# KiCad board pcb.kicad_pcb
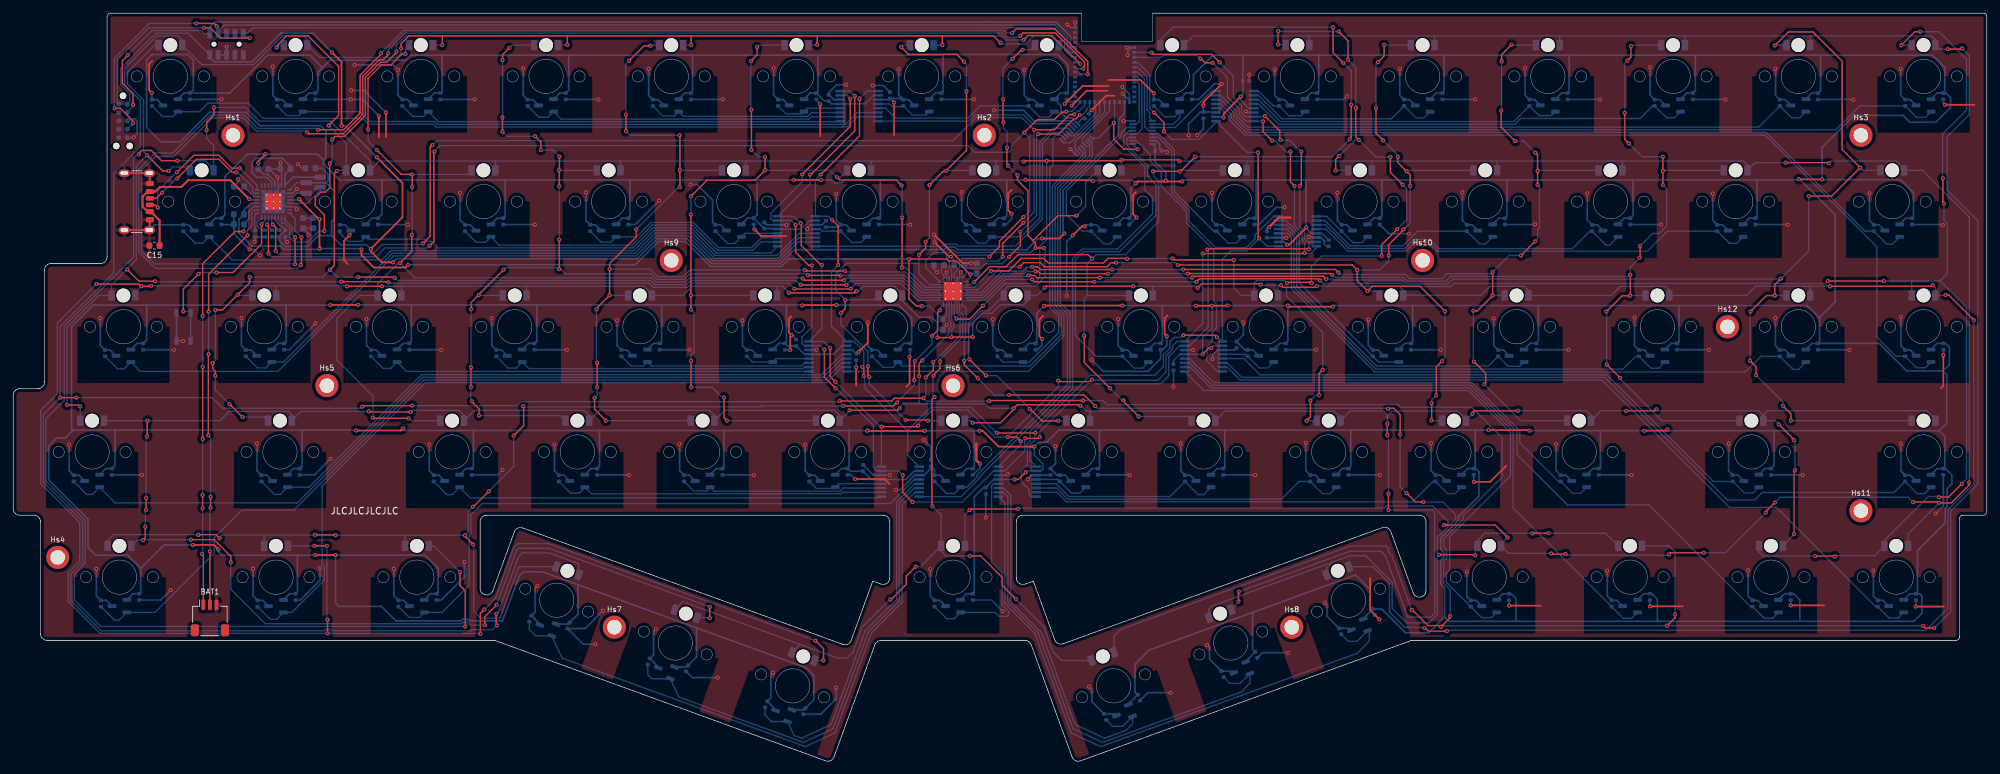
[diagram p0: board, top side]
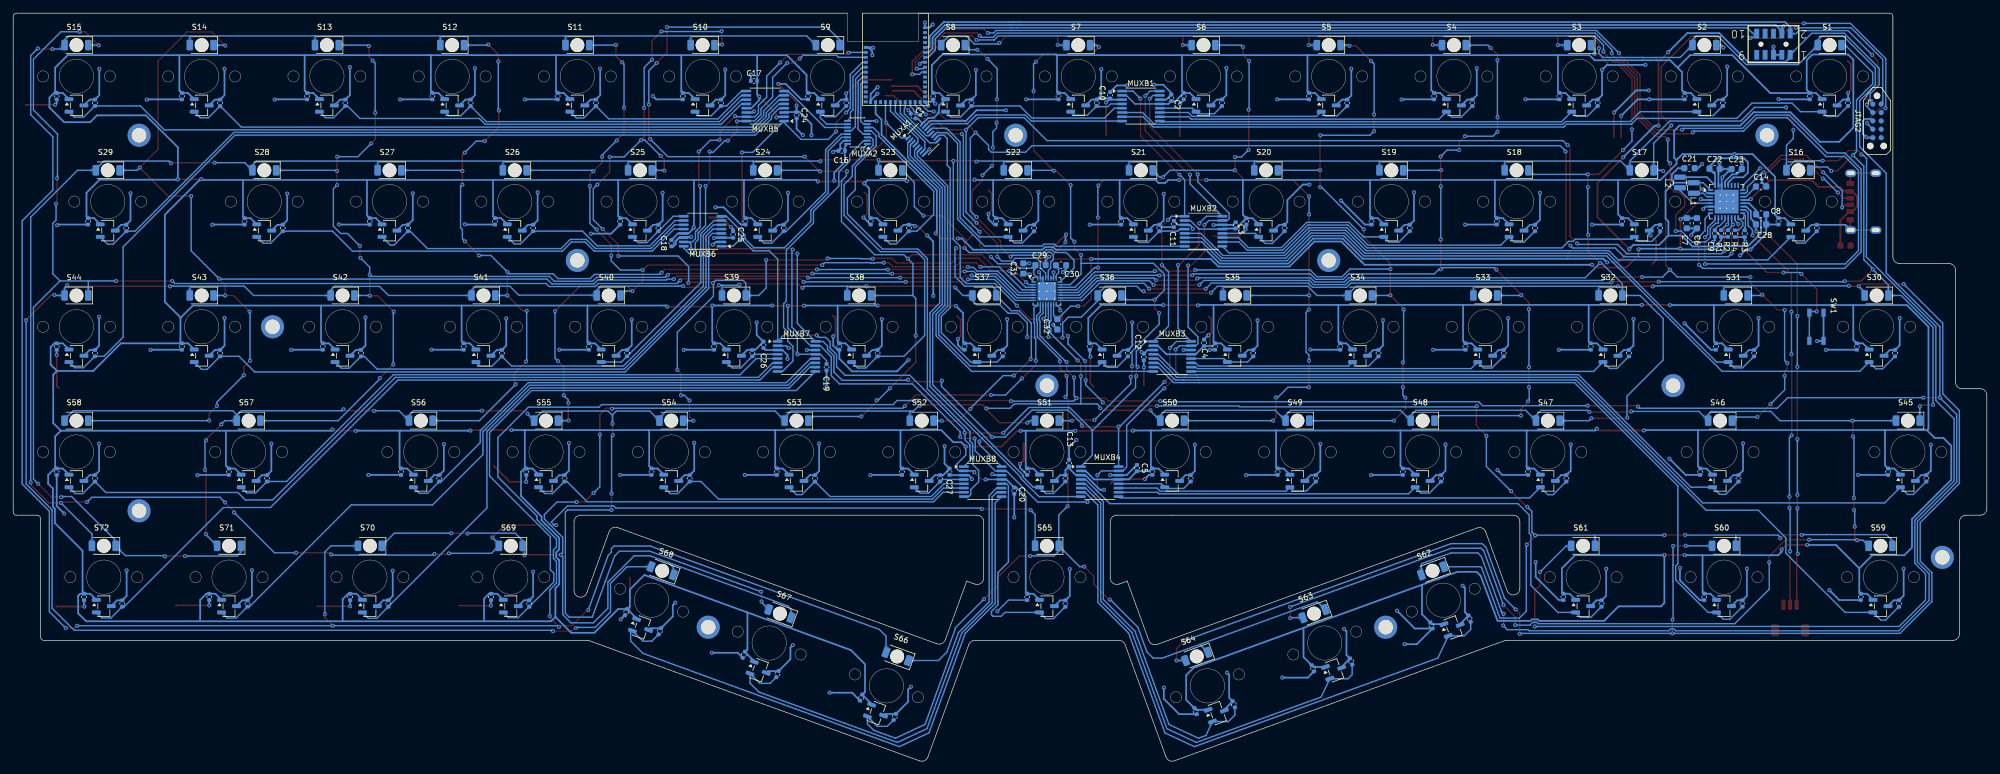
[diagram p1: board, bottom side, seen from below]

Outline 299.45 x 113.48 mm; copper layers: Top, Bottom. Coordinates in mm from the lower left corner of the outline.
Outline path: 0,55.48 arc(0.29,56.19) 1,56.48 3.75,56.48 arc(4.46,56.77) 4.75,57.48 4.75,74.48 arc(5.04,75.19) 5.75,75.48 13.25,75.48 arc(13.96,75.77) 14.25,76.48 14.25,112.98 arc(14.4,113.33) 14.75,113.48 162.1,113.48 162.1,109.18 172.85,109.18 172.85,113.48 298.95,113.48 arc(299.3,113.33) 299.45,112.98 299.45,37.78 arc(299.3,37.43) 298.95,37.28 295.8,37.28 arc(295.45,37.13) 295.3,36.78 295.3,18.78 arc(295.15,18.43) 294.8,18.28 212.34,18.28 arc(212.17,18.26) 212,18.22 161.94,0 arc(161.18,0.03) 160.66,0.6 154.46,17.62 arc(154.1,18.1) 153.52,18.28 131.68,18.28 arc(131.1,18.1) 130.74,17.62 124.54,0.6 arc(124.02,0.03) 123.26,0 73.2,18.22 arc(73.03,18.26) 72.86,18.28 5.15,18.28 arc(4.44,18.57) 4.15,19.28 4.15,36.28 arc(3.86,36.99) 3.15,37.28 1,37.28 arc(0.29,37.57) 0,38.28 0,55.48 ; 70.85,36.28 70.85,26.18 arc(71.68,25.2) 72.79,25.84 76.03,34.75 arc(76.55,35.31) 77.31,35.35 125.86,17.68 arc(126.63,17.71) 127.14,18.27 130.42,27.28 131.66,26.83 arc(132.57,26.95) 133,27.77 133,36.28 arc(132.71,36.99) 132,37.28 71.85,37.28 arc(71.14,36.99) 70.85,36.28 ; 152.2,36.28 arc(152.49,36.99) 153.2,37.28 213.35,37.28 arc(214.06,36.99) 214.35,36.28 214.35,25.84 arc(213.52,24.85) 212.41,25.49 209.02,34.8 arc(208.51,35.37) 207.74,35.4 159.3,17.77 arc(158.54,17.8) 158.02,18.37 154.78,27.28 153.54,26.83 arc(152.63,26.95) 152.2,27.77 152.2,36.28
Stack: Top 0.035mm / dielectric 1.51mm FR4 er 4.5 / Bottom 0.035mm

## Placement (name value [footprint] x y rotation side)
BAT1  ~  [JST_SH_SM03B-SRSS-TB_1x03-1MP_P1.00mm_Horizontal]  29.85 21.68 0 top
C1  .1uF  [C_0402_1005Metric]  162.89 97.86 225 bottom
C2  .1uF  [C_0402_1005Metric]  123.73 100.63 270 bottom
C3  .1uF  [C_0402_1005Metric]  113.96 81.27 270 bottom
C4  .1uF  [C_0402_1005Metric]  118.77 63.45 270 bottom
C5  .1uF  [C_0402_1005Metric]  128.95 44.44 270 bottom
C6  10uF  [C_0603_1608Metric]  43.98 81.59 270 bottom
C7  10uF  [C_0603_1608Metric]  45.53 81.6 270 bottom
C8  10uF  [C_0603_1608Metric]  34.24 82.96 180 bottom
C9  0.1uF  [C_0402_1005Metric]  41.28 80.05 90 bottom
C10  .1uF  [C_0402_1005Metric]  133.03 101.01 270 bottom
C11  .1uF  [C_0402_1005Metric]  123.34 81.49 270 bottom
C12  .1uF  [C_0402_1005Metric]  127.91 61.3 270 bottom
C13  .1uF  [C_0402_1005Metric]  139.24 45.19 270 bottom
C14  1uF  [C_0603_1608Metric]  34.23 87.17 180 bottom
C15  1uF  [C_0603_1608Metric]  21.44 78.2 180 top
C16  .1uF  [C_0402_1005Metric]  173.74 92.59 180 bottom
C17  .1uF  [C_0402_1005Metric]  187.05 103.2 180 bottom
C18  .1uF  [C_0402_1005Metric]  199.58 78.57 90 bottom
C19  .1uF  [C_0402_1005Metric]  176.04 59.74 90 bottom
C20  .1uF  [C_0402_1005Metric]  147.56 41.01 90 bottom
C21  10uF  [C_0603_1608Metric]  45.11 89.95 180 bottom
C22  10uF  [C_0603_1608Metric]  41.32 89.87 180 bottom
C23  2.2uF  [C_0603_1608Metric]  37.95 89.82 0 bottom
C24  .1uF  [C_0402_1005Metric]  180.59 97.99 270 bottom
C25  .1uF  [C_0402_1005Metric]  190.21 79.88 270 bottom
C26  .1uF  [C_0402_1005Metric]  185.61 63.14 270 bottom
C27  .1uF  [C_0402_1005Metric]  157.39 43.88 270 bottom
C28  2.2uF  [C_0603_1608Metric]  34.27 81.43 180 bottom
C29  1nF  [C_0603_1608Metric]  143.57 75.25 180 bottom
C30  1uF  [C_0603_1608Metric]  140.47 75.22 0 bottom
C31  1uF  [C_0603_1608Metric]  146.19 74.73 90 bottom
C32  1uF  [C_0603_1608Metric]  141.02 66.24 270 bottom
Cvcc1  0.1uF  [C_0402_1005Metric]  26.85 100.88 270 bottom
Cvcc2  0.1uF  [C_0402_1005Metric]  45.85 100.88 270 bottom
Cvcc3  0.1uF  [C_0402_1005Metric]  64.85 100.88 270 bottom
Cvcc4  0.1uF  [C_0402_1005Metric]  83.85 100.88 270 bottom
Cvcc5  0.1uF  [C_0402_1005Metric]  102.85 100.88 270 bottom
Cvcc6  0.1uF  [C_0402_1005Metric]  121.85 100.88 270 bottom
Cvcc7  0.1uF  [C_0402_1005Metric]  140.85 100.88 270 bottom
Cvcc8  0.1uF  [C_0402_1005Metric]  159.85 100.88 270 bottom
Cvcc9  0.1uF  [C_0402_1005Metric]  178.85 100.88 270 bottom
Cvcc10  0.1uF  [C_0402_1005Metric]  197.85 100.88 270 bottom
Cvcc11  0.1uF  [C_0402_1005Metric]  216.85 100.88 270 bottom
Cvcc12  0.1uF  [C_0402_1005Metric]  235.85 100.88 270 bottom
Cvcc13  0.1uF  [C_0402_1005Metric]  254.85 100.88 270 bottom
Cvcc14  0.1uF  [C_0402_1005Metric]  273.85 100.88 270 bottom
Cvcc15  0.1uF  [C_0402_1005Metric]  292.85 100.88 270 bottom
Cvcc16  0.1uF  [C_0402_1005Metric]  31.6 81.88 270 bottom
Cvcc17  0.1uF  [C_0402_1005Metric]  55.35 81.88 270 bottom
Cvcc18  0.1uF  [C_0402_1005Metric]  74.35 81.88 270 bottom
Cvcc19  0.1uF  [C_0402_1005Metric]  93.35 81.88 270 bottom
Cvcc20  0.1uF  [C_0402_1005Metric]  112.35 81.88 270 bottom
Cvcc21  0.1uF  [C_0402_1005Metric]  131.35 81.88 270 bottom
Cvcc22  0.1uF  [C_0402_1005Metric]  150.35 81.88 270 bottom
Cvcc23  0.1uF  [C_0402_1005Metric]  169.35 81.88 270 bottom
Cvcc24  0.1uF  [C_0402_1005Metric]  188.35 81.88 270 bottom
Cvcc25  0.1uF  [C_0402_1005Metric]  207.35 81.88 270 bottom
Cvcc26  0.1uF  [C_0402_1005Metric]  226.35 81.88 270 bottom
Cvcc27  0.1uF  [C_0402_1005Metric]  245.35 81.88 270 bottom
Cvcc28  0.1uF  [C_0402_1005Metric]  264.35 81.88 270 bottom
Cvcc29  0.1uF  [C_0402_1005Metric]  288.1 81.88 270 bottom
Cvcc30  0.1uF  [C_0402_1005Metric]  19.73 62.88 270 bottom
Cvcc31  0.1uF  [C_0402_1005Metric]  41.1 62.88 270 bottom
Cvcc32  0.1uF  [C_0402_1005Metric]  60.1 62.88 270 bottom
Cvcc33  0.1uF  [C_0402_1005Metric]  79.1 62.88 270 bottom
Cvcc34  0.1uF  [C_0402_1005Metric]  98.1 62.88 270 bottom
Cvcc35  0.1uF  [C_0402_1005Metric]  117.1 62.88 270 bottom
Cvcc36  0.1uF  [C_0402_1005Metric]  136.1 62.88 270 bottom
Cvcc37  0.1uF  [C_0402_1005Metric]  155.1 62.88 270 bottom
Cvcc38  0.1uF  [C_0402_1005Metric]  174.1 62.88 270 bottom
Cvcc39  0.1uF  [C_0402_1005Metric]  193.1 62.88 270 bottom
Cvcc40  0.1uF  [C_0402_1005Metric]  212.1 62.88 270 bottom
Cvcc41  0.1uF  [C_0402_1005Metric]  231.1 62.88 270 bottom
Cvcc42  0.1uF  [C_0402_1005Metric]  252.47 62.88 270 bottom
Cvcc43  0.1uF  [C_0402_1005Metric]  273.85 62.88 270 bottom
Cvcc44  0.1uF  [C_0402_1005Metric]  292.85 62.88 270 bottom
Cvcc45  0.1uF  [C_0402_1005Metric]  14.97 43.88 270 bottom
Cvcc46  0.1uF  [C_0402_1005Metric]  43.48 43.88 270 bottom
Cvcc47  0.1uF  [C_0402_1005Metric]  69.6 43.88 270 bottom
Cvcc48  0.1uF  [C_0402_1005Metric]  88.6 43.88 270 bottom
Cvcc49  0.1uF  [C_0402_1005Metric]  107.6 43.88 270 bottom
Cvcc50  0.1uF  [C_0402_1005Metric]  126.6 43.88 270 bottom
Cvcc51  0.1uF  [C_0402_1005Metric]  145.6 43.88 270 bottom
Cvcc52  0.1uF  [C_0402_1005Metric]  164.6 43.88 270 bottom
Cvcc53  0.1uF  [C_0402_1005Metric]  183.6 43.88 270 bottom
Cvcc54  0.1uF  [C_0402_1005Metric]  202.6 43.88 270 bottom
Cvcc55  0.1uF  [C_0402_1005Metric]  221.6 43.88 270 bottom
Cvcc56  0.1uF  [C_0402_1005Metric]  240.6 43.88 270 bottom
Cvcc57  0.1uF  [C_0402_1005Metric]  266.73 43.88 270 bottom
Cvcc58  0.1uF  [C_0402_1005Metric]  292.85 43.88 270 bottom
Cvcc59  0.1uF  [C_0402_1005Metric]  19.12 24.88 270 bottom
Cvcc60  0.1uF  [C_0402_1005Metric]  42.88 24.88 270 bottom
Cvcc61  0.1uF  [C_0402_1005Metric]  64.25 24.88 270 bottom
Cvcc62  0.1uF  [C_0402_1005Metric]  84.27 20.53 250 bottom
Cvcc63  0.1uF  [C_0402_1005Metric]  102.24 14.03 250 bottom
Cvcc64  0.1uF  [C_0402_1005Metric]  120.04 7.53 250 bottom
Cvcc65  0.1uF  [C_0402_1005Metric]  145.6 24.88 270 bottom
Cvcc66  0.1uF  [C_0402_1005Metric]  170.8 9.59 290 bottom
Cvcc67  0.1uF  [C_0402_1005Metric]  188.6 16.09 290 bottom
Cvcc68  0.1uF  [C_0402_1005Metric]  206.45 22.59 290 bottom
Cvcc69  0.1uF  [C_0402_1005Metric]  226.95 24.88 270 bottom
Cvcc70  0.1uF  [C_0402_1005Metric]  248.32 24.88 270 bottom
Cvcc71  0.1uF  [C_0402_1005Metric]  269.7 24.88 270 bottom
Cvcc72  0.1uF  [C_0402_1005Metric]  288.7 24.88 270 bottom
Cvout1  0.1nF  [C_0402_1005Metric]  21.05 99.88 90 bottom
Cvout2  0.1nF  [C_0402_1005Metric]  40.05 99.88 90 bottom
Cvout3  0.1nF  [C_0402_1005Metric]  59.05 99.88 90 bottom
Cvout4  0.1nF  [C_0402_1005Metric]  78.05 99.88 90 bottom
Cvout5  0.1nF  [C_0402_1005Metric]  97.05 99.88 90 bottom
Cvout6  0.1nF  [C_0402_1005Metric]  116.05 99.88 90 bottom
Cvout7  0.1nF  [C_0402_1005Metric]  135.05 99.88 90 bottom
Cvout8  0.1nF  [C_0402_1005Metric]  154.05 99.88 90 bottom
Cvout9  0.1nF  [C_0402_1005Metric]  173.05 99.88 90 bottom
Cvout10  0.1nF  [C_0402_1005Metric]  192.05 99.88 90 bottom
Cvout11  0.1nF  [C_0402_1005Metric]  211.05 99.88 90 bottom
Cvout12  0.1nF  [C_0402_1005Metric]  230.05 99.88 90 bottom
Cvout13  0.1nF  [C_0402_1005Metric]  249.05 99.88 90 bottom
Cvout14  0.1nF  [C_0402_1005Metric]  268.05 99.88 90 bottom
Cvout15  0.1nF  [C_0402_1005Metric]  287.05 99.88 90 bottom
Cvout16  0.1nF  [C_0402_1005Metric]  25.8 80.88 90 bottom
Cvout17  0.1nF  [C_0402_1005Metric]  49.55 80.88 90 bottom
Cvout18  0.1nF  [C_0402_1005Metric]  68.55 80.88 90 bottom
Cvout19  0.1nF  [C_0402_1005Metric]  87.55 80.88 90 bottom
Cvout20  0.1nF  [C_0402_1005Metric]  106.55 80.88 90 bottom
Cvout21  0.1nF  [C_0402_1005Metric]  125.55 80.88 90 bottom
Cvout22  0.1nF  [C_0402_1005Metric]  144.55 80.88 90 bottom
Cvout23  0.1nF  [C_0402_1005Metric]  163.55 80.88 90 bottom
Cvout24  0.1nF  [C_0402_1005Metric]  182.55 80.88 90 bottom
Cvout25  0.1nF  [C_0402_1005Metric]  201.55 80.88 90 bottom
Cvout26  0.1nF  [C_0402_1005Metric]  220.55 80.88 90 bottom
Cvout27  0.1nF  [C_0402_1005Metric]  239.55 80.88 90 bottom
Cvout28  0.1nF  [C_0402_1005Metric]  258.55 80.88 90 bottom
Cvout29  0.1nF  [C_0402_1005Metric]  282.3 80.88 90 bottom
Cvout30  0.1nF  [C_0402_1005Metric]  13.92 61.88 90 bottom
Cvout31  0.1nF  [C_0402_1005Metric]  35.3 61.88 90 bottom
Cvout32  0.1nF  [C_0402_1005Metric]  54.3 61.88 90 bottom
Cvout33  0.1nF  [C_0402_1005Metric]  73.3 61.88 90 bottom
Cvout34  0.1nF  [C_0402_1005Metric]  92.3 61.88 90 bottom
Cvout35  0.1nF  [C_0402_1005Metric]  111.3 61.88 90 bottom
Cvout36  0.1nF  [C_0402_1005Metric]  130.3 61.88 90 bottom
Cvout37  0.1nF  [C_0402_1005Metric]  149.3 61.88 90 bottom
Cvout38  0.1nF  [C_0402_1005Metric]  168.3 61.88 90 bottom
Cvout39  0.1nF  [C_0402_1005Metric]  187.3 61.88 90 bottom
Cvout40  0.1nF  [C_0402_1005Metric]  206.3 61.88 90 bottom
Cvout41  0.1nF  [C_0402_1005Metric]  225.3 61.88 90 bottom
Cvout42  0.1nF  [C_0402_1005Metric]  246.67 61.88 90 bottom
Cvout43  0.1nF  [C_0402_1005Metric]  268.05 61.88 90 bottom
Cvout44  0.1nF  [C_0402_1005Metric]  287.05 61.88 90 bottom
Cvout45  0.1nF  [C_0402_1005Metric]  9.18 42.88 90 bottom
Cvout46  0.1nF  [C_0402_1005Metric]  37.68 42.88 90 bottom
Cvout47  0.1nF  [C_0402_1005Metric]  63.8 42.88 90 bottom
Cvout48  0.1nF  [C_0402_1005Metric]  82.8 42.88 90 bottom
Cvout49  0.1nF  [C_0402_1005Metric]  101.8 42.88 90 bottom
Cvout50  0.1nF  [C_0402_1005Metric]  120.8 42.88 90 bottom
Cvout51  0.1nF  [C_0402_1005Metric]  139.8 42.88 90 bottom
Cvout52  0.1nF  [C_0402_1005Metric]  158.8 42.88 90 bottom
Cvout53  0.1nF  [C_0402_1005Metric]  177.8 42.88 90 bottom
Cvout54  0.1nF  [C_0402_1005Metric]  196.8 42.88 90 bottom
Cvout55  0.1nF  [C_0402_1005Metric]  215.8 42.88 90 bottom
Cvout56  0.1nF  [C_0402_1005Metric]  234.8 42.88 90 bottom
Cvout57  0.1nF  [C_0402_1005Metric]  260.93 42.88 90 bottom
Cvout58  0.1nF  [C_0402_1005Metric]  287.05 42.88 90 bottom
Cvout59  0.1nF  [C_0402_1005Metric]  13.32 23.88 90 bottom
Cvout60  0.1nF  [C_0402_1005Metric]  37.08 23.88 90 bottom
Cvout61  0.1nF  [C_0402_1005Metric]  58.45 23.88 90 bottom
Cvout62  0.1nF  [C_0402_1005Metric]  78.48 21.58 70 bottom
Cvout63  0.1nF  [C_0402_1005Metric]  96.45 15.08 70 bottom
Cvout64  0.1nF  [C_0402_1005Metric]  114.25 8.58 70 bottom
Cvout65  0.1nF  [C_0402_1005Metric]  139.8 23.88 90 bottom
Cvout66  0.1nF  [C_0402_1005Metric]  165.69 6.66 110 bottom
Cvout67  0.1nF  [C_0402_1005Metric]  183.49 13.16 110 bottom
Cvout68  0.1nF  [C_0402_1005Metric]  201.34 19.66 110 bottom
Cvout69  0.1nF  [C_0402_1005Metric]  221.15 23.88 90 bottom
Cvout70  0.1nF  [C_0402_1005Metric]  242.53 23.88 90 bottom
Cvout71  0.1nF  [C_0402_1005Metric]  263.9 23.88 90 bottom
Cvout72  0.1nF  [C_0402_1005Metric]  282.9 23.88 90 bottom
D1  Green LED  [LED_1206_3216Metric_ReverseMount_Hole2.1mm]  23.85 108.63 0 bottom
D2  Green LED  [LED_1206_3216Metric_ReverseMount_Hole2.1mm]  42.85 108.63 0 bottom
D3  Green LED  [LED_1206_3216Metric_ReverseMount_Hole2.1mm]  61.85 108.63 0 bottom
D4  Green LED  [LED_1206_3216Metric_ReverseMount_Hole2.1mm]  80.85 108.63 0 bottom
D5  Green LED  [LED_1206_3216Metric_ReverseMount_Hole2.1mm]  99.85 108.63 0 bottom
D6  Green LED  [LED_1206_3216Metric_ReverseMount_Hole2.1mm]  118.85 108.63 0 bottom
D7  Green LED  [LED_1206_3216Metric_ReverseMount_Hole2.1mm]  137.85 108.63 0 bottom
D8  Green LED  [LED_1206_3216Metric_ReverseMount_Hole2.1mm]  156.85 108.63 0 bottom
D9  Green LED  [LED_1206_3216Metric_ReverseMount_Hole2.1mm]  175.85 108.63 0 bottom
D10  Green LED  [LED_1206_3216Metric_ReverseMount_Hole2.1mm]  194.85 108.63 0 bottom
D11  Green LED  [LED_1206_3216Metric_ReverseMount_Hole2.1mm]  213.85 108.63 0 bottom
D12  Green LED  [LED_1206_3216Metric_ReverseMount_Hole2.1mm]  232.85 108.63 0 bottom
D13  Green LED  [LED_1206_3216Metric_ReverseMount_Hole2.1mm]  251.85 108.63 0 bottom
D14  Green LED  [LED_1206_3216Metric_ReverseMount_Hole2.1mm]  270.85 108.63 0 bottom
D15  Green LED  [LED_1206_3216Metric_ReverseMount_Hole2.1mm]  289.85 108.63 0 bottom
D16  Green LED  [LED_1206_3216Metric_ReverseMount_Hole2.1mm]  28.6 89.63 0 bottom
D17  Green LED  [LED_1206_3216Metric_ReverseMount_Hole2.1mm]  52.35 89.63 0 bottom
D18  Green LED  [LED_1206_3216Metric_ReverseMount_Hole2.1mm]  71.35 89.63 0 bottom
D19  Green LED  [LED_1206_3216Metric_ReverseMount_Hole2.1mm]  90.35 89.63 0 bottom
D20  Green LED  [LED_1206_3216Metric_ReverseMount_Hole2.1mm]  109.35 89.63 0 bottom
D21  Green LED  [LED_1206_3216Metric_ReverseMount_Hole2.1mm]  128.35 89.63 0 bottom
D22  Green LED  [LED_1206_3216Metric_ReverseMount_Hole2.1mm]  147.35 89.63 0 bottom
D23  Green LED  [LED_1206_3216Metric_ReverseMount_Hole2.1mm]  166.35 89.63 0 bottom
D24  Green LED  [LED_1206_3216Metric_ReverseMount_Hole2.1mm]  185.35 89.63 0 bottom
D25  Green LED  [LED_1206_3216Metric_ReverseMount_Hole2.1mm]  204.35 89.63 0 bottom
D26  Green LED  [LED_1206_3216Metric_ReverseMount_Hole2.1mm]  223.35 89.63 0 bottom
D27  Green LED  [LED_1206_3216Metric_ReverseMount_Hole2.1mm]  242.35 89.63 0 bottom
D28  Green LED  [LED_1206_3216Metric_ReverseMount_Hole2.1mm]  261.35 89.63 0 bottom
D29  Green LED  [LED_1206_3216Metric_ReverseMount_Hole2.1mm]  285.1 89.63 0 bottom
D30  Green LED  [LED_1206_3216Metric_ReverseMount_Hole2.1mm]  16.73 70.63 0 bottom
D31  Green LED  [LED_1206_3216Metric_ReverseMount_Hole2.1mm]  38.1 70.63 0 bottom
D32  Green LED  [LED_1206_3216Metric_ReverseMount_Hole2.1mm]  57.1 70.63 0 bottom
D33  Green LED  [LED_1206_3216Metric_ReverseMount_Hole2.1mm]  76.1 70.63 0 bottom
D34  Green LED  [LED_1206_3216Metric_ReverseMount_Hole2.1mm]  95.1 70.63 0 bottom
D35  Green LED  [LED_1206_3216Metric_ReverseMount_Hole2.1mm]  114.1 70.63 0 bottom
D36  Green LED  [LED_1206_3216Metric_ReverseMount_Hole2.1mm]  133.1 70.63 0 bottom
D37  Green LED  [LED_1206_3216Metric_ReverseMount_Hole2.1mm]  152.1 70.63 0 bottom
D38  Green LED  [LED_1206_3216Metric_ReverseMount_Hole2.1mm]  171.1 70.63 0 bottom
D39  Green LED  [LED_1206_3216Metric_ReverseMount_Hole2.1mm]  190.1 70.63 0 bottom
D40  Green LED  [LED_1206_3216Metric_ReverseMount_Hole2.1mm]  209.1 70.63 0 bottom
D41  Green LED  [LED_1206_3216Metric_ReverseMount_Hole2.1mm]  228.1 70.63 0 bottom
D42  Green LED  [LED_1206_3216Metric_ReverseMount_Hole2.1mm]  249.47 70.63 0 bottom
D43  Green LED  [LED_1206_3216Metric_ReverseMount_Hole2.1mm]  270.85 70.63 0 bottom
D44  Green LED  [LED_1206_3216Metric_ReverseMount_Hole2.1mm]  289.85 70.63 0 bottom
D45  Green LED  [LED_1206_3216Metric_ReverseMount_Hole2.1mm]  11.97 51.63 0 bottom
D46  Green LED  [LED_1206_3216Metric_ReverseMount_Hole2.1mm]  40.48 51.63 0 bottom
D47  Green LED  [LED_1206_3216Metric_ReverseMount_Hole2.1mm]  66.6 51.63 0 bottom
D48  Green LED  [LED_1206_3216Metric_ReverseMount_Hole2.1mm]  85.6 51.63 0 bottom
D49  Green LED  [LED_1206_3216Metric_ReverseMount_Hole2.1mm]  104.6 51.63 0 bottom
D50  Green LED  [LED_1206_3216Metric_ReverseMount_Hole2.1mm]  123.6 51.63 0 bottom
D51  Green LED  [LED_1206_3216Metric_ReverseMount_Hole2.1mm]  142.6 51.63 0 bottom
D52  Green LED  [LED_1206_3216Metric_ReverseMount_Hole2.1mm]  161.6 51.63 0 bottom
D53  Green LED  [LED_1206_3216Metric_ReverseMount_Hole2.1mm]  180.6 51.63 0 bottom
D54  Green LED  [LED_1206_3216Metric_ReverseMount_Hole2.1mm]  199.6 51.63 0 bottom
D55  Green LED  [LED_1206_3216Metric_ReverseMount_Hole2.1mm]  218.6 51.63 0 bottom
D56  Green LED  [LED_1206_3216Metric_ReverseMount_Hole2.1mm]  237.6 51.63 0 bottom
D57  Green LED  [LED_1206_3216Metric_ReverseMount_Hole2.1mm]  263.73 51.63 0 bottom
D58  Green LED  [LED_1206_3216Metric_ReverseMount_Hole2.1mm]  289.85 51.63 0 bottom
D59  Green LED  [LED_1206_3216Metric_ReverseMount_Hole2.1mm]  16.12 32.63 0 bottom
D60  Green LED  [LED_1206_3216Metric_ReverseMount_Hole2.1mm]  39.88 32.63 0 bottom
D61  Green LED  [LED_1206_3216Metric_ReverseMount_Hole2.1mm]  61.25 32.63 0 bottom
D62  Green LED  [LED_1206_3216Metric_ReverseMount_Hole2.1mm]  84.1 28.84 340 bottom
D63  Green LED  [LED_1206_3216Metric_ReverseMount_Hole2.1mm]  102.07 22.34 340 bottom
D64  Green LED  [LED_1206_3216Metric_ReverseMount_Hole2.1mm]  119.87 15.84 340 bottom
D65  Green LED  [LED_1206_3216Metric_ReverseMount_Hole2.1mm]  142.6 32.63 0 bottom
D66  Green LED  [LED_1206_3216Metric_ReverseMount_Hole2.1mm]  165.33 15.84 20 bottom
D67  Green LED  [LED_1206_3216Metric_ReverseMount_Hole2.1mm]  183.13 22.34 20 bottom
D68  Green LED  [LED_1206_3216Metric_ReverseMount_Hole2.1mm]  200.98 28.84 20 bottom
D69  Green LED  [LED_1206_3216Metric_ReverseMount_Hole2.1mm]  223.95 32.63 0 bottom
D70  Green LED  [LED_1206_3216Metric_ReverseMount_Hole2.1mm]  245.32 32.63 0 bottom
D71  Green LED  [LED_1206_3216Metric_ReverseMount_Hole2.1mm]  266.7 32.63 0 bottom
D72  Green LED  [LED_1206_3216Metric_ReverseMount_Hole2.1mm]  285.7 32.63 0 bottom
Hs1  M2_Pad  [MountingHole_2.2mm_M2_ISO7380_Pad_TopBottom]  33.35 94.95 0 top
Hs2  M2_Pad  [MountingHole_2.2mm_M2_ISO7380_Pad_TopBottom]  147.35 94.95 0 top
Hs3  M2_Pad  [MountingHole_2.2mm_M2_ISO7380_Pad_TopBottom]  280.35 94.95 0 top
Hs4  M2_Pad  [MountingHole_2.2mm_M2_ISO7380_Pad_TopBottom]  6.75 30.88 0 top
Hs5  M2_Pad  [MountingHole_2.2mm_M2_ISO7380_Pad_TopBottom]  47.6 56.95 0 top
Hs6  M2_Pad  [MountingHole_2.2mm_M2_ISO7380_Pad_TopBottom]  142.6 56.95 0 top
Hs7  M2_Pad  [MountingHole_2.2mm_M2_ISO7380_Pad_TopBottom]  91.2 20.28 0 top
Hs8  M2_Pad  [MountingHole_2.2mm_M2_ISO7380_Pad_TopBottom]  194 20.28 0 top
Hs9  M2_Pad  [MountingHole_2.2mm_M2_ISO7380_Pad_TopBottom]  99.85 75.95 0 top
Hs10  M2_Pad  [MountingHole_2.2mm_M2_ISO7380_Pad_TopBottom]  213.85 75.95 0 top
Hs11  M2_Pad  [MountingHole_2.2mm_M2_ISO7380_Pad_TopBottom]  280.35 37.95 0 top
Hs12  M2_Pad  [MountingHole_2.2mm_M2_ISO7380_Pad_TopBottom]  260.1 65.88 0 top
JLC1  -  [JLC_Order_Num]  53.42 37.83 0 top
JTAG1  Conn_02x05_Odd_Even  [SAMTEC-CLP-105-02-X-D-A]  32.37 108.77 0 bottom
JTAG2  Conn_02x05_Odd_Even  [Tag-Connect_TC2050-IDC-NL_2x05_P1.27mm_Vertical]  16.66 97.13 270 bottom
L1  2.2uH  [L_Samsung_CIGT201610EH2R2MNE]  44.46 86.95 270 bottom
L2  2.2uH  [L_Samsung_CIGT201610EH2R2MNE]  46.56 87.79 270 bottom
LEDDR1  LP5864  [VQFN-32-1EP_4x4mm_P0.4mm_EP2.8x2.8mm_ThermalVias]  142.6 71.28 180 bottom
M1  Ezurio BL54L15 (nrf54L15) module  [Ezurio_BL54L15_Module]  160.6 99.48 90 bottom
MUXA1  TMUX1574DYY  [Texas_DYY0016A_TSOT-23-16_2x4.2mm_P0.5mm]  161.35 94.38 135 bottom
MUXA2  TMUX1574DYY  [Texas_DYY0016A_TSOT-23-16_2x4.2mm_P0.5mm]  171.35 95.38 0 bottom
MUXB1  TMUX1108PW  [TSSOP-16_4.4x5mm_P0.65mm]  128.35 99.38 180 bottom
MUXB2  TMUX1108PW  [TSSOP-16_4.4x5mm_P0.65mm]  118.85 80.38 180 bottom
MUXB3  TMUX1108PW  [TSSOP-16_4.4x5mm_P0.65mm]  123.6 61.38 180 bottom
MUXB4  TMUX1108PW  [TSSOP-16_4.4x5mm_P0.65mm]  134.6 42.38 180 bottom
MUXB5  TMUX1108PW  [TSSOP-16_4.4x5mm_P0.65mm]  185.35 99.38 0 bottom
MUXB6  TMUX1108PW  [TSSOP-16_4.4x5mm_P0.65mm]  194.85 80.38 0 bottom
MUXB7  TMUX1108PW  [TSSOP-16_4.4x5mm_P0.65mm]  180.6 61.38 180 bottom
MUXB8  TMUX1108PW  [TSSOP-16_4.4x5mm_P0.65mm]  152.35 42.38 180 bottom
PMIC1  nPM1300-QEXX  [QFN-32-1EP_5x5mm_P0.5mm_EP3.6x3.6mm_ThermalVias]  39.48 84.88 180 bottom
R1  10k  [R_0402_1005Metric]  39.29 80.04 90 bottom
R2  10k  [R_0402_1005Metric]  40.3 80.04 90 bottom
R3  47k  [R_0402_1005Metric]  36.74 80.01 90 bottom
R4  47k  [R_0402_1005Metric]  38.21 80.03 90 bottom
S1  Switch  [Gateron_Switch_Lowpro]  23.85 103.88 0 top
S2  Switch  [Gateron_Switch_Lowpro]  42.85 103.88 0 top
S3  Switch  [Gateron_Switch_Lowpro]  61.85 103.88 0 top
S4  Switch  [Gateron_Switch_Lowpro]  80.85 103.88 0 top
S5  Switch  [Gateron_Switch_Lowpro]  99.85 103.88 0 top
S6  Switch  [Gateron_Switch_Lowpro]  118.85 103.88 0 top
S7  Switch  [Gateron_Switch_Lowpro]  137.85 103.88 0 top
S8  Switch  [Gateron_Switch_Lowpro]  156.85 103.88 0 top
S9  Switch  [Gateron_Switch_Lowpro]  175.85 103.88 0 top
S10  Switch  [Gateron_Switch_Lowpro]  194.85 103.88 0 top
S11  Switch  [Gateron_Switch_Lowpro]  213.85 103.88 0 top
S12  Switch  [Gateron_Switch_Lowpro]  232.85 103.88 0 top
S13  Switch  [Gateron_Switch_Lowpro]  251.85 103.88 0 top
S14  Switch  [Gateron_Switch_Lowpro]  270.85 103.88 0 top
S15  Switch  [Gateron_Switch_Lowpro]  289.85 103.88 0 top
S16  Switch  [Gateron_Switch_Lowpro]  28.6 84.88 0 top
S17  Switch  [Gateron_Switch_Lowpro]  52.35 84.88 0 top
S18  Switch  [Gateron_Switch_Lowpro]  71.35 84.88 0 top
S19  Switch  [Gateron_Switch_Lowpro]  90.35 84.88 0 top
S20  Switch  [Gateron_Switch_Lowpro]  109.35 84.88 0 top
S21  Switch  [Gateron_Switch_Lowpro]  128.35 84.88 0 top
S22  Switch  [Gateron_Switch_Lowpro]  147.35 84.88 0 top
S23  Switch  [Gateron_Switch_Lowpro]  166.35 84.88 0 top
S24  Switch  [Gateron_Switch_Lowpro]  185.35 84.88 0 top
S25  Switch  [Gateron_Switch_Lowpro]  204.35 84.88 0 top
S26  Switch  [Gateron_Switch_Lowpro]  223.35 84.88 0 top
S27  Switch  [Gateron_Switch_Lowpro]  242.35 84.88 0 top
S28  Switch  [Gateron_Switch_Lowpro]  261.35 84.88 0 top
S29  Switch  [Gateron_Switch_Lowpro]  285.1 84.88 0 top
S30  Switch  [Gateron_Switch_Lowpro]  16.73 65.88 0 top
S31  Switch  [Gateron_Switch_Lowpro]  38.1 65.88 0 top
S32  Switch  [Gateron_Switch_Lowpro]  57.1 65.88 0 top
S33  Switch  [Gateron_Switch_Lowpro]  76.1 65.88 0 top
S34  Switch  [Gateron_Switch_Lowpro]  95.1 65.88 0 top
S35  Switch  [Gateron_Switch_Lowpro]  114.1 65.88 0 top
S36  Switch  [Gateron_Switch_Lowpro]  133.1 65.88 0 top
S37  Switch  [Gateron_Switch_Lowpro]  152.1 65.88 0 top
S38  Switch  [Gateron_Switch_Lowpro]  171.1 65.88 0 top
S39  Switch  [Gateron_Switch_Lowpro]  190.1 65.88 0 top
S40  Switch  [Gateron_Switch_Lowpro]  209.1 65.88 0 top
S41  Switch  [Gateron_Switch_Lowpro]  228.1 65.88 0 top
S42  Switch  [Gateron_Switch_Lowpro]  249.47 65.88 0 top
S43  Switch  [Gateron_Switch_Lowpro]  270.85 65.88 0 top
S44  Switch  [Gateron_Switch_Lowpro]  289.85 65.88 0 top
S45  Switch  [Gateron_Switch_Lowpro]  11.97 46.88 0 top
S46  Switch  [Gateron_Switch_Lowpro]  40.48 46.88 0 top
S47  Switch  [Gateron_Switch_Lowpro]  66.6 46.88 0 top
S48  Switch  [Gateron_Switch_Lowpro]  85.6 46.88 0 top
S49  Switch  [Gateron_Switch_Lowpro]  104.6 46.88 0 top
S50  Switch  [Gateron_Switch_Lowpro]  123.6 46.88 0 top
S51  Switch  [Gateron_Switch_Lowpro]  142.6 46.88 0 top
S52  Switch  [Gateron_Switch_Lowpro]  161.6 46.88 0 top
S53  Switch  [Gateron_Switch_Lowpro]  180.6 46.88 0 top
S54  Switch  [Gateron_Switch_Lowpro]  199.6 46.88 0 top
S55  Switch  [Gateron_Switch_Lowpro]  218.6 46.88 0 top
S56  Switch  [Gateron_Switch_Lowpro]  237.6 46.88 0 top
S57  Switch  [Gateron_Switch_Lowpro]  263.73 46.88 0 top
S58  Switch  [Gateron_Switch_Lowpro]  289.85 46.88 0 top
S59  Switch  [Gateron_Switch_Lowpro]  16.12 27.88 0 top
S60  Switch  [Gateron_Switch_Lowpro]  39.88 27.88 0 top
S61  Switch  [Gateron_Switch_Lowpro]  61.25 27.88 0 top
S62  Switch  [Gateron_Switch_Lowpro]  82.47 24.38 340 top
S63  Switch  [Gateron_Switch_Lowpro]  100.45 17.88 340 top
S64  Switch  [Gateron_Switch_Lowpro]  118.25 11.38 340 top
S65  Switch  [Gateron_Switch_Lowpro]  142.6 27.88 0 top
S66  Switch  [Gateron_Switch_Lowpro]  166.95 11.38 20 top
S67  Switch  [Gateron_Switch_Lowpro]  184.75 17.88 20 top
S68  Switch  [Gateron_Switch_Lowpro]  202.6 24.38 20 top
S69  Switch  [Gateron_Switch_Lowpro]  223.95 27.88 0 top
S70  Switch  [Gateron_Switch_Lowpro]  245.32 27.88 0 top
S71  Switch  [Gateron_Switch_Lowpro]  266.7 27.88 0 top
S72  Switch  [Gateron_Switch_Lowpro]  285.7 27.88 0 top
Stb1  TMR_switch_stab_2.0u  [Stabilizer_Lowpro_2U]  118.25 11.38 70 top
Stb2  TMR_switch_stab_2.0u  [Stabilizer_Lowpro_2U]  166.95 11.38 290 top
SW1  SW_DIP_x01  [Button_Switch_3x4x2.5]  25.85 65.88 270 bottom
TMR1  TMR2617  [SOT-23-3]  23.85 99.48 180 bottom
TMR2  TMR2617  [SOT-23-3]  42.85 99.48 180 bottom
TMR3  TMR2617  [SOT-23-3]  61.85 99.48 180 bottom
TMR4  TMR2617  [SOT-23-3]  80.85 99.48 180 bottom
TMR5  TMR2617  [SOT-23-3]  99.85 99.48 180 bottom
TMR6  TMR2617  [SOT-23-3]  118.85 99.48 180 bottom
TMR7  TMR2617  [SOT-23-3]  137.85 99.48 180 bottom
TMR8  TMR2617  [SOT-23-3]  156.85 99.48 180 bottom
TMR9  TMR2617  [SOT-23-3]  175.85 99.48 180 bottom
TMR10  TMR2617  [SOT-23-3]  194.85 99.48 180 bottom
TMR11  TMR2617  [SOT-23-3]  213.85 99.48 180 bottom
TMR12  TMR2617  [SOT-23-3]  232.85 99.48 180 bottom
TMR13  TMR2617  [SOT-23-3]  251.85 99.48 180 bottom
TMR14  TMR2617  [SOT-23-3]  270.85 99.48 180 bottom
TMR15  TMR2617  [SOT-23-3]  289.85 99.48 180 bottom
TMR16  TMR2617  [SOT-23-3]  28.6 80.48 180 bottom
TMR17  TMR2617  [SOT-23-3]  52.35 80.48 180 bottom
TMR18  TMR2617  [SOT-23-3]  71.35 80.48 180 bottom
TMR19  TMR2617  [SOT-23-3]  90.35 80.48 180 bottom
TMR20  TMR2617  [SOT-23-3]  109.35 80.48 180 bottom
TMR21  TMR2617  [SOT-23-3]  128.35 80.48 180 bottom
TMR22  TMR2617  [SOT-23-3]  147.35 80.48 180 bottom
TMR23  TMR2617  [SOT-23-3]  166.35 80.48 180 bottom
TMR24  TMR2617  [SOT-23-3]  185.35 80.48 180 bottom
TMR25  TMR2617  [SOT-23-3]  204.35 80.48 180 bottom
TMR26  TMR2617  [SOT-23-3]  223.35 80.48 180 bottom
TMR27  TMR2617  [SOT-23-3]  242.35 80.48 180 bottom
TMR28  TMR2617  [SOT-23-3]  261.35 80.48 180 bottom
TMR29  TMR2617  [SOT-23-3]  285.1 80.48 180 bottom
TMR30  TMR2617  [SOT-23-3]  16.73 61.48 180 bottom
TMR31  TMR2617  [SOT-23-3]  38.1 61.48 180 bottom
TMR32  TMR2617  [SOT-23-3]  57.1 61.48 180 bottom
TMR33  TMR2617  [SOT-23-3]  76.1 61.48 180 bottom
TMR34  TMR2617  [SOT-23-3]  95.1 61.48 180 bottom
TMR35  TMR2617  [SOT-23-3]  114.1 61.48 180 bottom
TMR36  TMR2617  [SOT-23-3]  133.1 61.48 180 bottom
TMR37  TMR2617  [SOT-23-3]  152.1 61.48 180 bottom
TMR38  TMR2617  [SOT-23-3]  171.1 61.48 180 bottom
TMR39  TMR2617  [SOT-23-3]  190.1 61.48 180 bottom
TMR40  TMR2617  [SOT-23-3]  209.1 61.48 180 bottom
TMR41  TMR2617  [SOT-23-3]  228.1 61.48 180 bottom
TMR42  TMR2617  [SOT-23-3]  249.47 61.48 180 bottom
TMR43  TMR2617  [SOT-23-3]  270.85 61.48 180 bottom
TMR44  TMR2617  [SOT-23-3]  289.85 61.48 180 bottom